# Altium PCB Copy of PCB.PcbDoc
Units mm, origin at the board's own origin, x right, y up, seen from the top; angles counter-clockwise.
Board outline 91.5 x 114 mm, 2 copper layers (Top Layer, Bottom Layer), stack 1.67 mm thick; 88 components, 45 nets, 295 pads, 1 vias.
Unrouted connection lines stored in the file: 46.
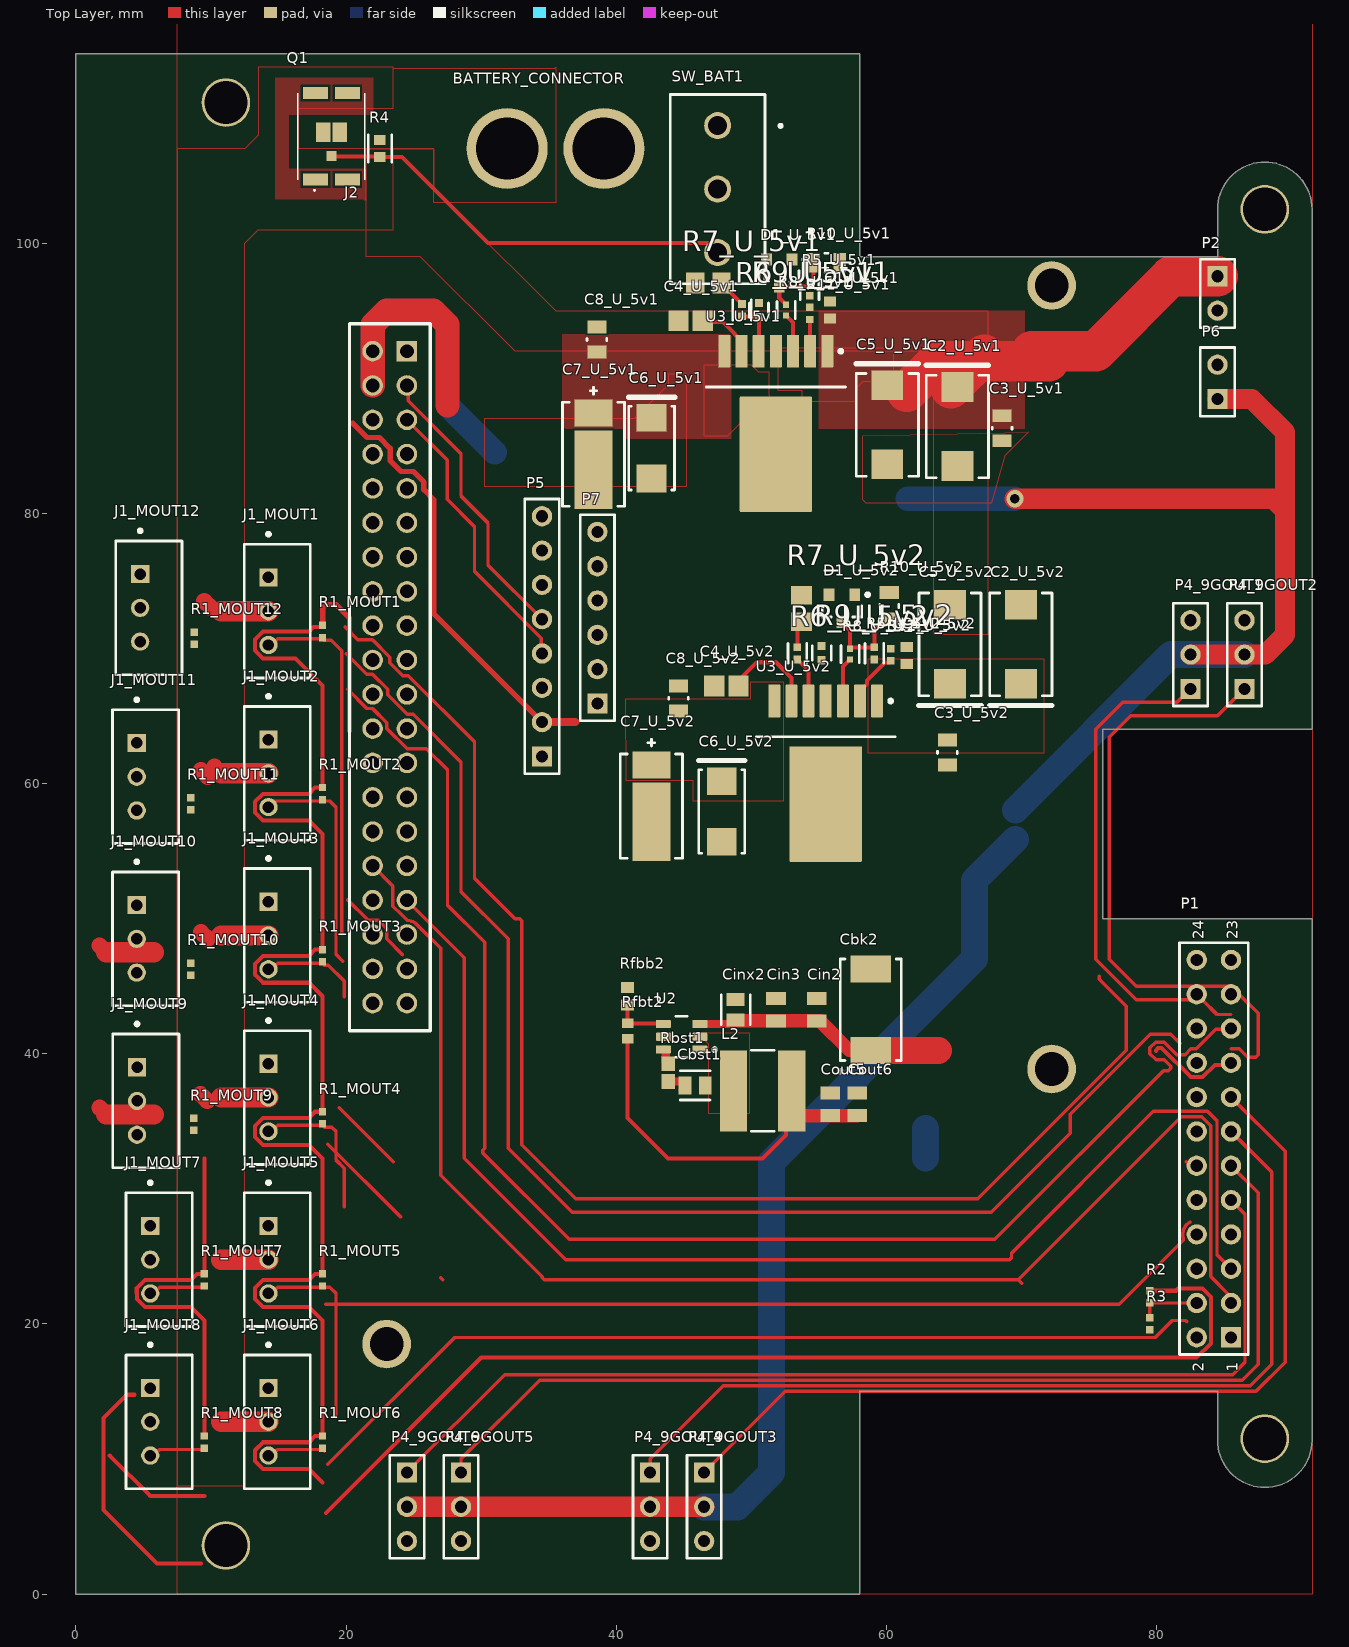
[diagram p0: Top Layer view]
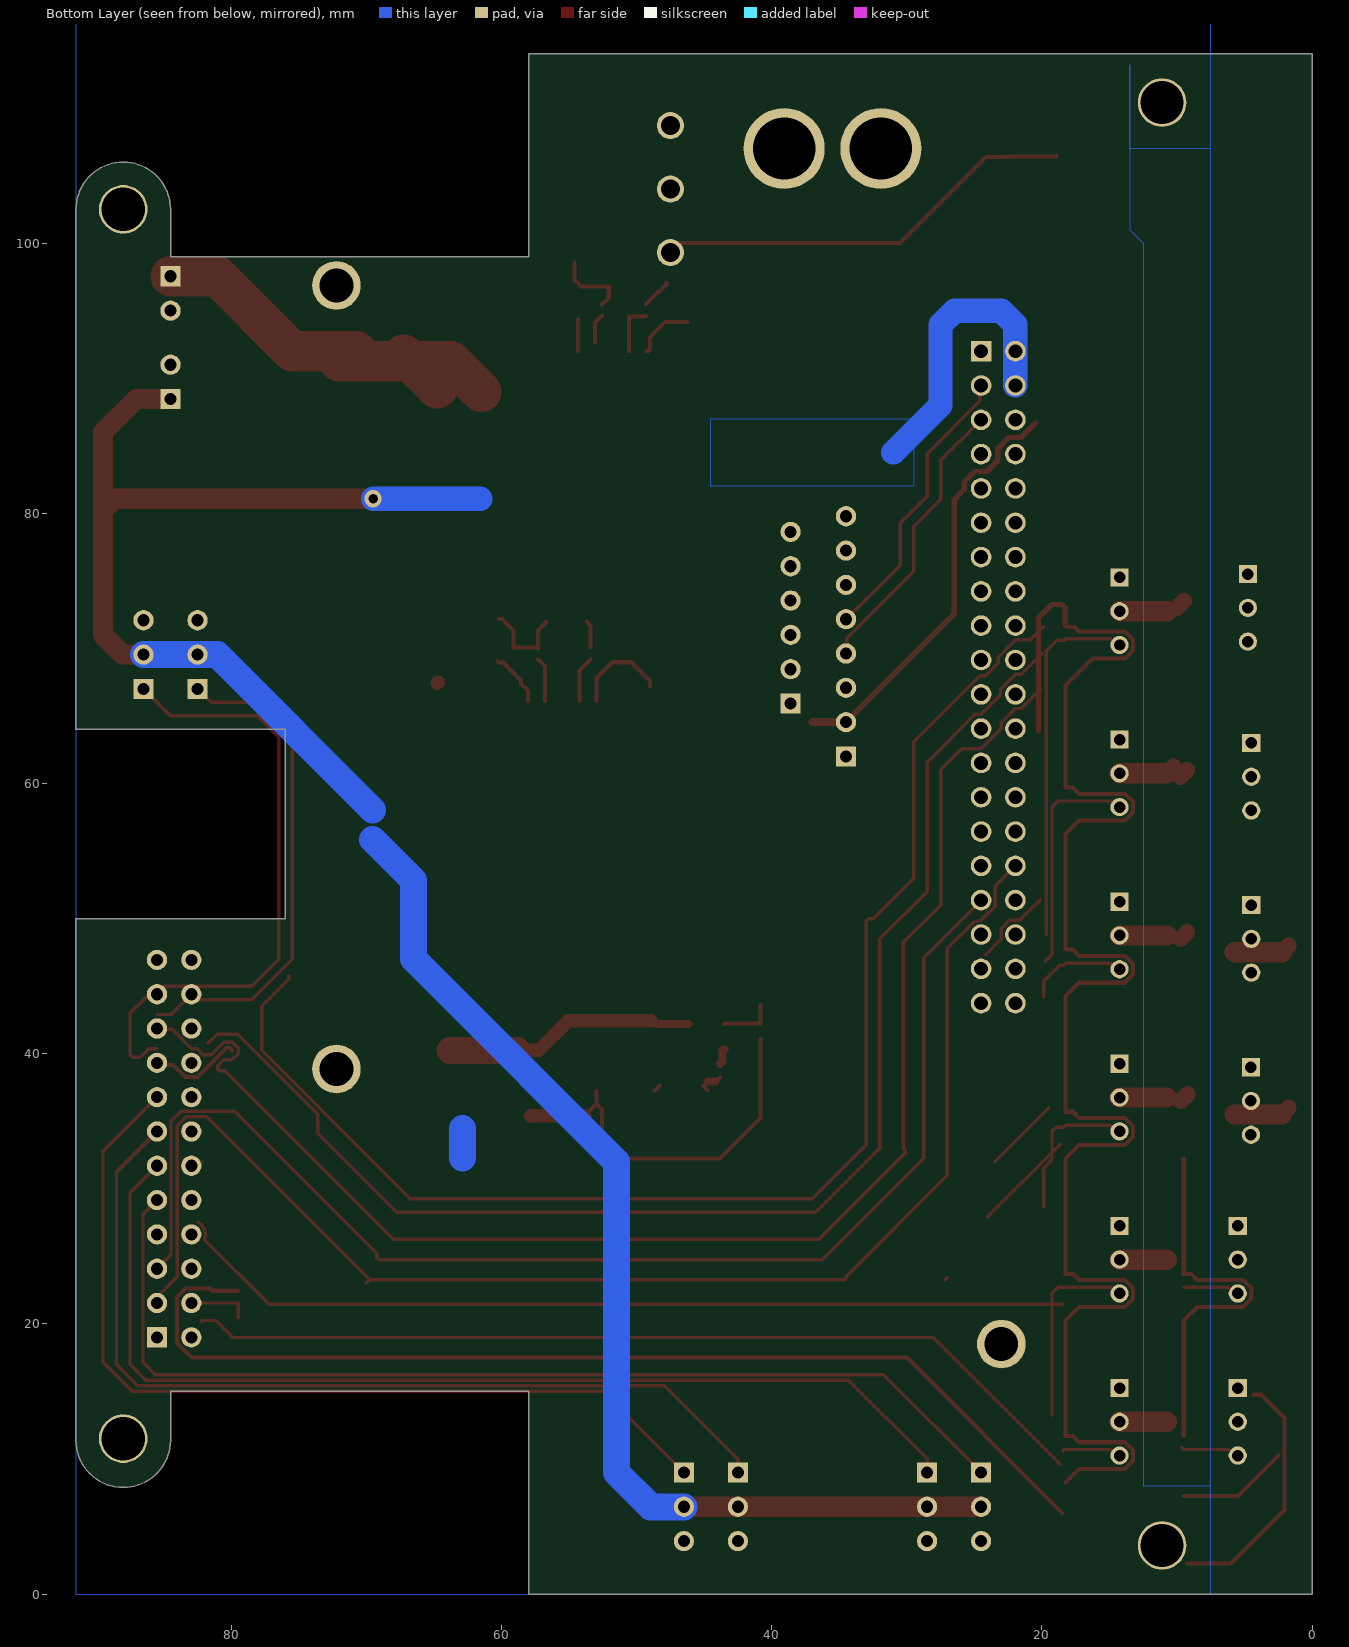
[diagram p1: Bottom Layer view, seen from below]

## Layer stack, top to bottom
Top Solder: solder mask 0.0102, Solder Resist, Dk 3.5
Top Layer: signal copper 0.035
Dielectric 1: dielectric 1.6, FR-4, Dk 4.8
Bottom Layer: signal copper 0.035
Bottom Solder: solder mask 0.0102, Solder Resist, Dk 3.5

## Board outline
58,15 84.5,15 84.5,11.389 ccw(c88,11.388) 88,7.889 ccw(c88,11.388) 91.5,11.389 91.5,50 76,50 76,64 91.5,64 91.5,102.5 ccw(c88,102.5) 88,106 ccw(c88,102.5) 84.5,102.5 84.5,99 58,99 58,114 0,114 0,0 58,0

## Design rules (kind name [scope] priority, off if disabled: settings)
BoardOutlineClearance [All] p1: gap=0.5 ignorepadtopadclearanceinfootprint=FALSE
Clearance [All] p1: gap=0.16 ignorepadtopadclearanceinfootprint=FALSE
Creepage [All] p1: checkdistance=0.2
HoleSize [All] p1: absolutevalues=TRUE maxlimit=25.4 minlimit=0.3 maxpercent=80.000 minpercent=20.000
HoleToHoleClearance [All] p1: gap=0.5 allowstackedmicrovias=TRUE
MinimumSolderMaskSliver [All] p1: minsoldermaskwidth=0.16
PolygonConnect [All] p1: connectstyle=Direct reliefconductorwidth=0.254 reliefentries=4 polygonreliefangle="90 Angle" airgapwidth=0.254
RoomDefinition U_5v1 [InComponentClass('U_5v1')] p1: confinementstyle=ConfineIn formatcopy=TRUE lockcomponents=FALSE outline 70.81,100.045 35.56,100.045 35.56,78.22 70.81,78.22
RoomDefinition MOUT9 [InComponentClass('MOUT9')] p2: confinementstyle=ConfineIn formatcopy=TRUE lockcomponents=FALSE outline 2.25,31 10.223,31 10.223,43 2.25,43
RoomDefinition MOUT10 [InComponentClass('MOUT10')] p3: confinementstyle=ConfineIn formatcopy=TRUE lockcomponents=FALSE outline 2.25,43 10.25,43 10.25,55 2.25,55
RoomDefinition MOUT11 [InComponentClass('MOUT11')] p4: confinementstyle=ConfineIn formatcopy=TRUE lockcomponents=FALSE outline 2.25,55 10.25,55 10.25,67 2.25,67
RoomDefinition MOUT12 [InComponentClass('MOUT12')] p5: confinementstyle=ConfineIn formatcopy=TRUE lockcomponents=FALSE outline 2.5,67.5 10.5,67.5 10.5,79.5 2.5,79.5
RoomDefinition U_5v2 [InComponentClass('U_5v2')] p6: confinementstyle=ConfineIn formatcopy=TRUE lockcomponents=FALSE outline 40,52.55 72.7,52.55 72.7,75.25 40,75.25
RoomDefinition MOUT4 [InComponentClass('MOUT4')] p7: confinementstyle=ConfineIn formatcopy=TRUE lockcomponents=FALSE outline 11.25,31.25 19.25,31.25 19.25,43.25 11.25,43.25
RoomDefinition MOUT1 [InComponentClass('MOUT1')] p8: confinementstyle=ConfineIn formatcopy=TRUE lockcomponents=FALSE outline 11.25,67.25 19.25,67.25 19.25,79.25 11.25,79.25
RoomDefinition MOUT2 [InComponentClass('MOUT2')] p9: confinementstyle=ConfineIn formatcopy=TRUE lockcomponents=FALSE outline 11.25,55.25 19.25,55.25 19.25,67.25 11.25,67.25
RoomDefinition MOUT3 [InComponentClass('MOUT3')] p10: confinementstyle=ConfineIn formatcopy=TRUE lockcomponents=FALSE outline 11.25,43.25 19.25,43.25 19.25,55.25 11.25,55.25
RoomDefinition 9GOUT4 [InComponentClass('9GOUT4')] p11: confinementstyle=ConfineIn formatcopy=TRUE lockcomponents=FALSE outline 44.5,11 40.5,11 40.5,2 44.5,2
RoomDefinition MOUT8 [InComponentClass('MOUT8')] p12: confinementstyle=ConfineIn formatcopy=TRUE lockcomponents=FALSE outline 2.5,7.25 10.5,7.25 10.5,19.25 2.5,19.25
RoomDefinition MOUT7 [InComponentClass('MOUT7')] p13: confinementstyle=ConfineIn formatcopy=TRUE lockcomponents=FALSE outline 2.5,19.25 10.5,19.25 10.5,31.25 2.5,31.25
RoomDefinition MOUT5 [InComponentClass('MOUT5')] p14: confinementstyle=ConfineIn formatcopy=TRUE lockcomponents=FALSE outline 11.25,19.25 19.25,19.25 19.25,31.25 11.25,31.25
RoomDefinition MOUT6 [InComponentClass('MOUT6')] p15: confinementstyle=ConfineIn formatcopy=TRUE lockcomponents=FALSE outline 11.25,7.25 19.25,7.25 19.25,19.25 11.25,19.25
RoomDefinition 9GOUT6 [InComponentClass('9GOUT6')] p16: confinementstyle=ConfineIn formatcopy=TRUE lockcomponents=FALSE outline 26.5,11 22.5,11 22.5,2 26.5,2
RoomDefinition 9GOUT5 [InComponentClass('9GOUT5')] p17: confinementstyle=ConfineIn formatcopy=TRUE lockcomponents=FALSE outline 30.5,11 26.5,11 26.5,2 30.5,2
RoomDefinition 9GOUT3 [InComponentClass('9GOUT3')] p18: confinementstyle=ConfineIn formatcopy=TRUE lockcomponents=FALSE outline 48.5,11 44.5,11 44.5,2 48.5,2
RoomDefinition 9GOUT2 [InComponentClass('9GOUT2')] p19: confinementstyle=ConfineIn formatcopy=TRUE lockcomponents=FALSE outline 84.5,65 88.5,65 88.5,74 84.5,74
RoomDefinition 9GOUT1 [InComponentClass('9GOUT1')] p20: confinementstyle=ConfineIn formatcopy=TRUE lockcomponents=FALSE outline 80.5,65 84.5,65 84.5,74 80.5,74
RoomDefinition U_Reg3v3 [InComponentClass('U_Reg3v3')] p21: confinementstyle=ConfineIn formatcopy=TRUE lockcomponents=FALSE outline 63.83,48.25 38.83,48.25 38.83,30.25 63.83,30.25
RoutingVias [All] p1: holewidth=0.711 width=1.27 viastyle="Through Hole" minholewidth=0.6 minwidth=0.8 maxholewidth=1 maxwidth=2
SolderMaskExpansion [All] p1: expansion=0.102 istentingtop=FALSE
UnRoutedNet [All] p1: checkbadconnections=TRUE
Width [All] p1: maxlimit=25.4 minlimit=0.16 preferedwidth=0.3
26 further rules are at their usual default settings.

## Classes and differential pairs
channel class "Regulador 5v FF21": U_5v1 U_5v2
component class U_5v2: C1_U_5v2 C2_U_5v2 C3_U_5v2 C4_U_5v2 C5_U_5v2 C6_U_5v2 C7_U_5v2 C8_U_5v2 D1_U_5v2 R5_U_5v2 R6_U_5v2 R7_U_5v2 R8_U_5v2 R9_U_5v2 R10_U_5v2 R11_U_5v2 U3_U_5v2
component class U_5v1: C1_U_5v1 C2_U_5v1 C3_U_5v1 C4_U_5v1 C5_U_5v1 C6_U_5v1 C7_U_5v1 C8_U_5v1 D1_U_5v1 R5_U_5v1 R6_U_5v1 R7_U_5v1 R8_U_5v1 R9_U_5v1 R10_U_5v1 R11_U_5v1 U3_U_5v1
component class MOUT12: J1_MOUT12 R1_MOUT12
component class MOUT11: J1_MOUT11 R1_MOUT11
component class MOUT10: J1_MOUT10 R1_MOUT10
component class MOUT9: J1_MOUT9 R1_MOUT9
channel class Conn9g: 9GOUT1 9GOUT2 9GOUT3 9GOUT4 9GOUT5 9GOUT6
component class 9GOUT6: P4_9GOUT6
component class 9GOUT5: P4_9GOUT5
component class 9GOUT4: P4_9GOUT4
component class 9GOUT3: P4_9GOUT3
component class 9GOUT2: P4_9GOUT2
component class 9GOUT1: P4_9GOUT1
component class MOUT8: J1_MOUT8 R1_MOUT8
component class MOUT7: J1_MOUT7 R1_MOUT7
component class MOUT6: J1_MOUT6 R1_MOUT6
component class MOUT5: J1_MOUT5 R1_MOUT5
component class MOUT4: J1_MOUT4 R1_MOUT4
component class MOUT3: J1_MOUT3 R1_MOUT3
component class MOUT2: J1_MOUT2 R1_MOUT2
component class MOUT1: J1_MOUT1 R1_MOUT1
channel class ConnMotor: MOUT1 MOUT2 MOUT3 MOUT4 MOUT5 MOUT6
component class U_Reg3v3: Cbk2 Cbst1 Cin2 Cin3 Cinx2 Cout5 Cout6 L2 Rbst1 Rfbb2 Rfbt2 U2
component class PCB: BATTERY_CONNECTOR J2 P1 P2 P5 P6 P7 Q1 R2 R3 R4 SW_BAT1

## Components (designator, comment, footprint, x,y, rotation, side; value= is the part's Value field where it differs from the comment)
BATTERY_CONNECTOR "XT60" BATTERY_CONECTO-PCB 35.5,107 r0 top
C1_U_5v1 "VJ0603Y103KXAAC31" CAPC1608X97X38LL15T08 55.81,95.045 r270 top (schematic designator C1)
C1_U_5v2 "VJ0603Y103KXAAC31" CAPC1608X97X38LL15T08 61.5,69.475 r270 top (schematic designator C1)
C2_U_5v1 "T495D157K010ATE100" KEMT-T495-D_L 65.25,86.425 r270 top (schematic designator C2)
C2_U_5v2 "T495D157K010ATE100" KEMT-T495-D_L 69.95,70.3 r90 top (schematic designator C2)
C3_U_5v1 "CC0805KRX7R9BB473" FP-CC0805-0_85-MFG 68.56,86.295 r270 top value="47 nF" (schematic designator C3)
C3_U_5v2 "CC0805KRX7R9BB473" FP-CC0805-0_85-MFG 64.5,62.3 r270 top value="47 nF" (schematic designator C3)
C4_U_5v1 "C0805F474K3RACTU" CAPC2013X140X50ML20T25 45.5,94.25 r0 top (schematic designator C4)
C4_U_5v2 "C0805F474K3RACTU" CAPC2013X140X50ML20T25 48.15,67.225 r0 top (schematic designator C4)
C5_U_5v1 "T495D157K010ATE100" KEMT-T495-D_L 60.06,86.545 r270 top (schematic designator C5)
C5_U_5v2 "T495D157K010ATE100" KEMT-T495-D_L 64.7,70.3 r90 top (schematic designator C5)
C6_U_5v1 "TPSC107K010R0075" AVX-C2312_L 42.61,84.82 r270 top (schematic designator C6)
C6_U_5v2 "TPSC107K010R0075" AVX-C2312_L 47.8,57.925 r270 top (schematic designator C6)
C7_U_5v1 "T528Z227M006ATE009" FP-T528Z227M006ATE009-MFG 38.31,84.37 r270 top (schematic designator C7)
C7_U_5v2 "T528Z227M006ATE009" FP-T528Z227M006ATE009-MFG 42.6,58.325 r270 top (schematic designator C7)
C8_U_5v1 "CC0805KRX7R9BB473" FP-CC0805-0_85-MFG 38.56,92.87 r90 top value="47 nF" (schematic designator C8)
C8_U_5v2 "CC0805KRX7R9BB473" FP-CC0805-0_85-MFG 44.6,66.3 r90 top value="47 nF" (schematic designator C8)
Cbk2 "TPSD476K020R0100" TPSD476K020R0100 58.83,43.25 r90 top
Cbst1 "C0805C104M5RACTU" FP-C0805C-DN-MFG 45.83,37.65 r0 top value="0.10 μF"
Cin2 "GRM21BR61E106MA73L" CAPC2012X145N 54.83,43.25 r270 top
Cin3 "GRM21BR61E106MA73L" CAPC2012X145N 51.83,43.25 r270 top
Cinx2 "C0805C104M5RACTU" FP-C0805C-DN-MFG 48.83,43.25 r90 top value="0.10 μF"
Cout5 "C2012X7S1A226M125AC" CAPC2012X145N 55.83,36.25 r270 top
Cout6 "C2012X7S1A226M125AC" CAPC2012X145N 57.83,36.25 r270 top
D1_U_5v1 "SZBZX84B5V1LT1G" ONSC-SOT-23-3-318-08_V 52.06,97.795 r270 top (schematic designator D1)
D1_U_5v2 "SZBZX84B5V1LT1G" ONSC-SOT-23-3-318-08_V 56.7,72.975 r270 top (schematic designator D1)
J1_MOUT1 "Conn_Molex_22-03-5035_eec" Molex_22-03-5035_0 14.9,72.75 r90 top (schematic designator J1)
J1_MOUT2 "Conn_Molex_22-03-5035_eec" Molex_22-03-5035_0 14.9,60.75 r90 top (schematic designator J1)
J1_MOUT3 "Conn_Molex_22-03-5035_eec" Molex_22-03-5035_0 14.9,48.75 r90 top (schematic designator J1)
J1_MOUT4 "Conn_Molex_22-03-5035_eec" Molex_22-03-5035_0 14.9,36.75 r90 top (schematic designator J1)
J1_MOUT5 "Conn_Molex_22-03-5035_eec" Molex_22-03-5035_0 14.9,24.75 r90 top (schematic designator J1)
J1_MOUT6 "Conn_Molex_22-03-5035_eec" Molex_22-03-5035_0 14.9,12.75 r90 top (schematic designator J1)
J1_MOUT7 "Conn_Molex_22-03-5035_eec" Molex_22-03-5035_0 6.15,24.75 r90 top (schematic designator J1)
J1_MOUT8 "Conn_Molex_22-03-5035_eec" Molex_22-03-5035_0 6.15,12.75 r90 top (schematic designator J1)
J1_MOUT9 "Conn_Molex_22-03-5035_eec" Molex_22-03-5035_0 5.173,36.5 r90 top (schematic designator J1)
J1_MOUT10 "Conn_Molex_22-03-5035_eec" Molex_22-03-5035_0 5.15,48.5 r90 top (schematic designator J1)
J1_MOUT11 "Conn_Molex_22-03-5035_eec" Molex_22-03-5035_0 5.15,60.5 r90 top (schematic designator J1)
J1_MOUT12 "Conn_Molex_22-03-5035_eec" Molex_22-03-5035_0 5.4,73 r90 top (schematic designator J1)
J2 "ESQ-120-XX-X-D" ESQ-120-XX-X-D 23.23,67.87 r270 top locked
L2 "SRN6045-4R7Y" SRN6045_1 50.83,37.25 r0 top
P1 "Header 12X2" HDR2X12 85.5,19 r90 top
P2 "Header 2" HDR1X2 84.5,97.54 r270 top
P4_9GOUT1 "Header 3" HDR1X3 82.5,67 r90 top (schematic designator P4)
P4_9GOUT2 "Header 3" HDR1X3 86.5,67 r90 top (schematic designator P4)
P4_9GOUT3 "Header 3" HDR1X3 46.5,9 r270 top (schematic designator P4)
P4_9GOUT4 "Header 3" HDR1X3 42.5,9 r270 top (schematic designator P4)
P4_9GOUT5 "Header 3" HDR1X3 28.5,9 r270 top (schematic designator P4)
P4_9GOUT6 "Header 3" HDR1X3 24.5,9 r270 top (schematic designator P4)
P5 "Header 8" HDR1X8 34.5,62 r90 top
P6 "Header 2" HDR1X2 84.5,88.46 r90 top
P7 "Header 6" HDR1X6 38.6,65.92 r90 top
Q1 "IRF9383MTRPBF" IRF9383MTRPBF 18.91,107.9 r90 top
R1_MOUT1 "CRCW040210K0FKED" RESC1005X40X25NL05T05 18.25,71.25 r90 top (schematic designator R1)
R1_MOUT2 "CRCW040210K0FKED" RESC1005X40X25NL05T05 18.25,59.25 r90 top (schematic designator R1)
R1_MOUT3 "CRCW040210K0FKED" RESC1005X40X25NL05T05 18.25,47.25 r90 top (schematic designator R1)
R1_MOUT4 "CRCW040210K0FKED" RESC1005X40X25NL05T05 18.25,35.25 r90 top (schematic designator R1)
R1_MOUT5 "CRCW040210K0FKED" RESC1005X40X25NL05T05 18.25,23.25 r90 top (schematic designator R1)
R1_MOUT6 "CRCW040210K0FKED" RESC1005X40X25NL05T05 18.25,11.25 r90 top (schematic designator R1)
R1_MOUT7 "CRCW040210K0FKED" RESC1005X40X25NL05T05 9.5,23.25 r90 top (schematic designator R1)
R1_MOUT8 "CRCW040210K0FKED" RESC1005X40X25NL05T05 9.5,11.25 r90 top (schematic designator R1)
R1_MOUT9 "CRCW040210K0FKED" RESC1005X40X25NL05T05 8.723,34.773 r90 top (schematic designator R1)
R1_MOUT10 "CRCW040210K0FKED" RESC1005X40X25NL05T05 8.5,46.25 r90 top (schematic designator R1)
R1_MOUT11 "CRCW040210K0FKED" RESC1005X40X25NL05T05 8.5,58.5 r90 top (schematic designator R1)
R1_MOUT12 "CRCW040210K0FKED" RESC1005X40X25NL05T05 8.75,70.75 r90 top (schematic designator R1)
R2 "CRCW040210K0FKED" RESC1005X40X25NL05T05 79.5,22 r90 top
R3 "CRCW04022K20FKED" RESC1005X40X25NL05T05 79.5,20 r90 top
R4 "CRCW0603100KFKEAHP" FP-CRCW0603-HPe3-IPC_C 22.5,107 r270 top
R5_U_5v1 "CRCW040220K0FKED" FP-CRCW0402-e3-IPC_B 54.31,96.545 r270 top (schematic designator R5)
R5_U_5v2 "CRCW040220K0FKED" FP-CRCW0402-e3-IPC_B 59.1,69.627 r270 top (schematic designator R5)
R6_U_5v1 "CRCW040220K0FKED" FP-CRCW0402-e3-IPC_B 49.31,95.045 r90 top (schematic designator R6)
R6_U_5v2 "CRCW040220K0FKED" FP-CRCW0402-e3-IPC_B 53.4,69.627 r90 top (schematic designator R6)
R7_U_5v1 "ERJ-6ENF4700V" RESC2013X70X40ML20T20 46.81,97.045 r180 top (schematic designator R7)
R7_U_5v2 "ERJ-6ENF4700V" RESC2013X70X40ML20T20 53.7,72.95 r90 top (schematic designator R7)
R8_U_5v1 "CRCW0402100RFKED" FP-CRCW0402-e3-IPC_C 52.56,95.045 r270 top (schematic designator R8)
R8_U_5v2 "CRCW0402100RFKED" FP-CRCW0402-e3-IPC_C 57.3,69.577 r270 top (schematic designator R8)
R9_U_5v1 "CRCW04023K90FKED" FP-CRCW0402-e3-MFG 50.56,95.045 r270 top (schematic designator R9)
R9_U_5v2 "CRCW04023K90FKED" FP-CRCW0402-e3-MFG 55.2,69.65 r270 top (schematic designator R9)
R10_U_5v1 "CRCW080540K0FKEA" FP-CRCW0805-e3-MFG 55.56,98.545 r0 top (schematic designator R10)
R10_U_5v2 "CRCW080540K0FKEA" FP-CRCW0805-e3-MFG 60.2,73.15 r90 top (schematic designator R10)
R11_U_5v1 "CRCW04021K50FKED" RESC1005X40X25NL05T05 54.31,94.795 r270 top (schematic designator R11)
R11_U_5v2 "CRCW04021K50FKED" RESC1005X40X25NL05T05 60.3,69.525 r270 top (schematic designator R11)
Rbst1 "RC0603FR-0730RL" RESC1608X55N 43.83,38.6 r270 top
Rfbb2 "CRCW060310K0FKEA" RESC1609X50X30NL8T20 40.83,44.25 r90 top
Rfbt2 "CRCW060330K9FKEA" RESC1609X50X30LL10T20 40.83,41.675 r270 top
SW_BAT1 "CS12ANW03" CS12ANW03 47.5,104 r180 top
U2 "TPS56339DDCR" FP-DDC0006A-MFG 44.83,41.25 r180 top
U3_U_5v1 "LMZ23605TZ/NOPB" NDW0007A_V 51.81,86.65 r270 top (schematic designator U3)
U3_U_5v2 "LMZ23605TZ/NOPB" NDW0007A_V 55.5,60.755 r270 top (schematic designator U3)

## Footprints (in the part's own frame and the unit in brackets; to place one, negate y for a bottom-side part, rotate by r counter-clockwise, add the part's x,y. Pads: shape width x height; smd on the part's side, far side on the other; paste and mask are expansions set on the pad)
AVX-C2312_L [mm] "Molded Capacitor, 2-Leads, Body 6.2x3.4mm, IPC High Density"
  rect 2.05x2.2 smd: 1(-2.25,0) 2(2.25,0)
  silkscreen extent -3.77,-1.7 3.1,1.7, body extent -3.32,-1.7 3.32,1.7, height 2.8
BATTERY_CONECTO-PCB [mm]
  round 6 hole 4.62: 0(-3.58,0) 1(3.58,0)
  body extent -7.82,-4.19 8.08,3.96, height 16.4
CAPC1608X97X38LL15T08 [mm] "Chip Capacitor, 2-Leads, Body 1.60x0.80mm, IPC High Density"
  rect 0.75x0.9 smd: 1(-0.625,0) 2(0.625,0)
  body extent -0.87,-0.48 0.87,0.48, height 0.97
CAPC2012X145N [mm]
  rect 0.97x1.47 smd: 1(-0.83,0) 2(0.83,0)
  body extent -1,-0.63 1,0.63, height 1.45
CAPC2013X140X50ML20T25 [mm] "Chip Capacitor, 2-Leads, Body 2.00x1.25mm, IPC Low Density"
  rect 1.5x1.55 smd: 1(-0.9,0) 2(0.9,0)
  body extent -1.1,-0.72 1.1,0.72, height 1.4
CS12ANW03 [mm]
  round 2 hole 1.4: 1(0,-4.7) 2(0,0) 3(0,4.7)
  silkscreen extent -4.78,-7 3.5,7, body extent -3.81,-7 3.51,7, height 14
ESQ-120-XX-X-D [mil]
  rect 60x60 hole 40: 1(-950,50)
  round 60 hole 40: 2(-950,-50) 3(-850,50) 4(-850,-50) 5(-750,50) 6(-750,-50) 7(-650,50) 8(-650,-50) 9(-550,50) 10(-550,-50) 11(-450,50) 12(-450,-50) 13(-350,50) 14(-350,-50) 15(-250,50) 16(-250,-50) 17(-150,50) 18(-150,-50) 19(-50,50) 20(-50,-50) 21(50,50) 22(50,-50) 23(150,50) 24(150,-50) 25(250,50) 26(250,-50) 27(350,50) 28(350,-50) 29(450,50) 30(450,-50) 31(550,50) 32(550,-50) 33(650,50) 34(650,-50) 35(750,50) 36(750,-50) 37(850,50) 38(850,-50) 39(950,50) 40(950,-50)
  silkscreen extent -1030,-117 1030,117, body extent -1279,-138 2225,2161, height 814
FP-C0805C-DN-MFG [mm]
  rect 0.95x1.35 smd paste+0 mask+0: 1(-0.75,0) 2(0.75,0)
  silkscreen extent -1.1,-1.07 1.1,1.08, body extent -1.4,-0.85 1.4,0.85, height 0.25
FP-CC0805-0_85-MFG [mm]
  rect 0.95x1.4 smd paste+0 mask+0: 1(-0.925,0) 2(0.925,0)
  silkscreen extent -0.08,-0.72 0.08,0.72, body extent -1.6,-1.05 1.6,1.05, height 0.25
FP-CRCW0402-e3-IPC_B [mm]
  rect 0.568x0.572 smd paste+0 mask+0: 1(-0.452,0) 2(0.452,0)
  silkscreen extent -0.74,-0.69 0.74,0.69, body extent -0.89,-0.44 0.89,0.44, height 0.25
FP-CRCW0402-e3-IPC_C [mm]
  rect 0.468x0.472 smd paste+0 mask+0: 1(-0.402,0) 2(0.402,0)
  silkscreen extent -0.64,-0.67 0.64,0.67, body extent -0.74,-0.38 0.74,0.38, height 0.25
FP-CRCW0402-e3-MFG [mm]
  rect 0.6x0.6 smd paste+0 mask+0: 1(-0.525,0) 2(0.525,0)
  silkscreen extent -0.53,-0.7 0.53,0.7, body extent -0.92,-0.4 0.92,0.4, height 0.25
FP-CRCW0603-HPe3-IPC_C [mm]
  rect 0.758x0.862 smd paste+0 mask+0: 1(-0.627,0) 2(0.627,0)
  silkscreen extent -1.01,-0.87 1.01,0.87, body extent -1.11,-0.58 1.11,0.58, height 0.25
FP-CRCW0805-e3-MFG [mm]
  rect 0.95x1.45 smd paste+0 mask+0: 1(-0.975,0) 2(0.975,0)
  silkscreen extent -0.13,-0.7 0.13,0.7, body extent -1.55,-0.82 1.55,0.82, height 0.25
FP-DDC0006A-MFG [mm]
  rrect17% 1.1x0.6 smd paste+0 mask+0: 1(-1.35,0.95) 2(-1.35,0) 3(-1.35,-0.95) 4(1.35,-0.95) 5(1.35,0) 6(1.35,0.95)
  silkscreen extent -2.58,-1.52 0.42,1.52, body extent -2,-1.63 2,1.63, height 0.25
FP-T528Z227M006ATE009-MFG [mm]